# KiCad board FrontEnd_5G.kicad_pcb (continued)
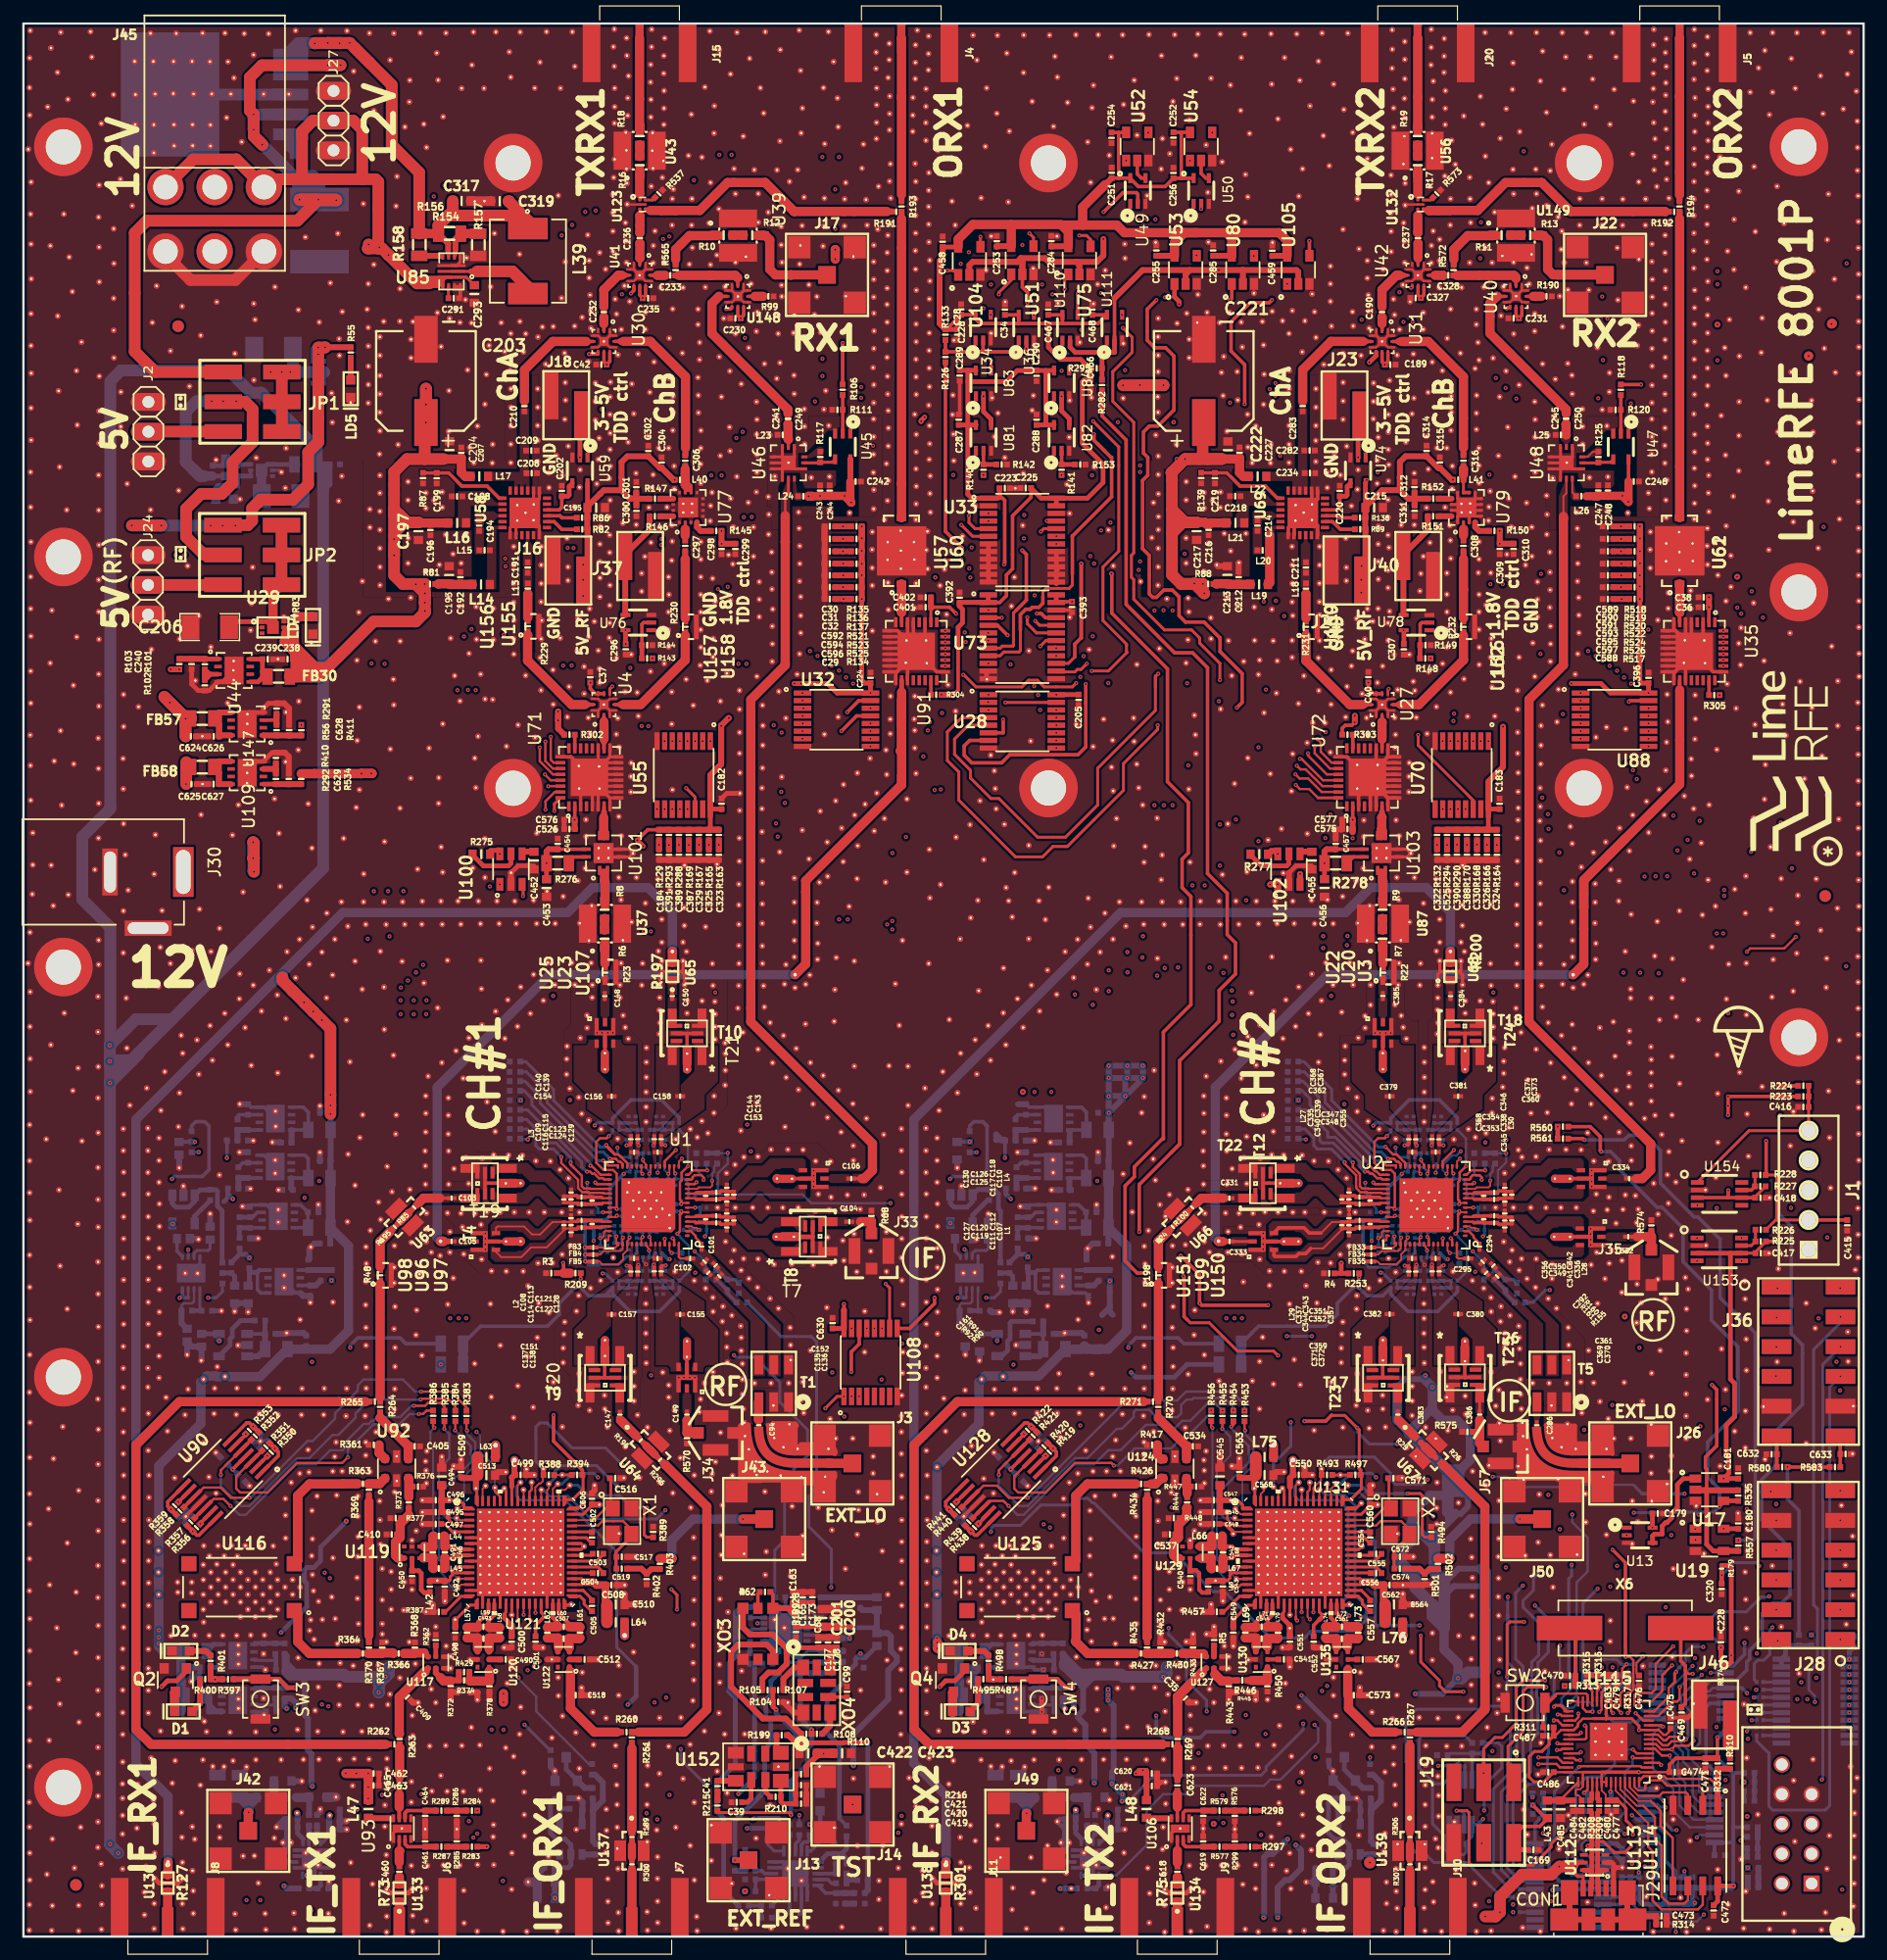
[diagram p0: board, top side]
## Placement (name value [footprint] x y rotation side) (continued)
GND_VIA#1628  VAL**  [GND_VIA#6]  46.67 158.79 90 top
GND_VIA#1629  VAL**  [GND_VIA#6]  45.45 159.61 90 top
GND_VIA#1630  VAL**  [GND_VIA#3]  50.45 162.79 90 top
GND_VIA#1631  VAL**  [GND_VIA#3]  51.5 162.03 90 top
GND_VIA#1632  VAL**  [GND_VIA#3]  50.39 161.28 90 top
GND_VIA#1633  VAL**  [GND_VIA#3]  117.95 160.19 90 top
GND_VIA#1634  VAL**  [GND_VIA#3]  117.95 158.55 90 top
GND_VIA#1635  VAL**  [GND_VIA#3]  116.89 161.06 90 top
GND_VIA#1636  VAL**  [GND_VIA#3]  121.32 160.48 90 top
GND_VIA#1637  VAL**  [GND_VIA#3]  121.33 161.98 90 top
GND_VIA#1638  VAL**  [GND_VIA#3]  121.3 159.09 90 top
GND_VIA#1639  VAL**  [GND_VIA#3]  120.2 161.23 90 top
GND_VIA#1640  VAL**  [GND_VIA#3]  120.2 159.73 90 top
GND_VIA#1641  VAL**  [GND_VIA#3]  116.88 162.72 90 top
GND_VIA#1642  VAL**  [GND_VIA#3]  117.95 161.72 90 top
GND_VIA#1643  VAL**  [GND_VIA#3]  120.21 162.77 90 top
GND_VIA#1644  VAL**  [GND_VIA#3]  139.19 159 90 top
GND_VIA#1645  VAL**  [GND_VIA#3]  139.23 160.14 90 top
GND_VIA#1646  VAL**  [GND_VIA#3]  140.25 158.2 90 top
GND_VIA#1647  VAL**  [GND_VIA#3]  140.28 159.59 90 top
GND_VIA#1648  VAL**  [GND_VIA#3]  140.21 160.78 90 top
GND_VIA#1649  VAL**  [GND_VIA#3]  140.28 161.95 90 top
GND_VIA#1650  VAL**  [GND_VIA#3]  137.48 156.64 90 top
GND_VIA#1651  VAL**  [GND_VIA#3]  139.21 162.75 90 top
GND_VIA#1652  VAL**  [GND_VIA#3]  139.21 161.45 90 top
GND_VIA#1653  VAL**  [GND_VIA#3]  142.67 159.88 90 top
GND_VIA#1654  VAL**  [GND_VIA#3]  142.68 161.38 90 top
GND_VIA#1655  VAL**  [GND_VIA#3]  142.65 158.5 90 top
GND_VIA#1656  VAL**  [GND_VIA#3]  143.77 159.25 90 top
GND_VIA#1657  VAL**  [GND_VIA#3]  143.8 162.13 90 top
GND_VIA#1658  VAL**  [GND_VIA#3]  143.79 160.63 90 top
GND_VIA#1659  VAL**  [GND_VIA#3]  142.68 162.75 90 top
GND_VIA#1660  VAL**  [GND_VIA#3]  60.93 162.5 90 top
GND_VIA#1661  VAL**  [GND_VIA#3]  59.42 161.01 90 top
GND_VIA#1662  VAL**  [GND_VIA#3]  68.74 162.56 90 top
GND_VIA#1663  VAL**  [GND_VIA#3]  64.63 161.02 90 top
GND_VIA#1664  VAL**  [GND_VIA#3]  62.01 160.28 90 top
GND_VIA#1665  VAL**  [GND_VIA#3]  69.18 160 90 top
GND_VIA#1666  VAL**  [GND_VIA#3]  63.35 162.55 90 top
GND_VIA#1667  VAL**  [GND_VIA#3]  66.25 162.69 90 top
GND_VIA#1668  VAL**  [GND_VIA#3]  58.61 162.62 90 top
GND_VIA#1669  VAL**  [GND_VIA#3]  57.03 155.51 90 top
GND_VIA#1670  VAL**  [GND_VIA#3]  73.84 158.64 90 top
GND_VIA#1671  VAL**  [GND_VIA#3]  73.93 161.56 90 top
GND_VIA#1672  VAL**  [GND_VIA#3]  76.33 162.69 90 top
GND_VIA#1673  VAL**  [GND_VIA#3]  73.92 160.17 90 top
GND_VIA#1674  VAL**  [GND_VIA#3]  72.8 159.42 90 top
GND_VIA#1675  VAL**  [GND_VIA#3]  72.83 162.31 90 top
GND_VIA#1676  VAL**  [GND_VIA#3]  72.82 160.81 90 top
GND_VIA#1677  VAL**  [GND_VIA#3]  76.17 159.94 90 top
GND_VIA#1678  VAL**  [GND_VIA#3]  76.17 161.44 90 top
GND_VIA#1679  VAL**  [GND_VIA#3]  76.15 158.55 90 top
GND_VIA#1680  VAL**  [GND_VIA#3]  77.27 159.3 90 top
GND_VIA#1681  VAL**  [GND_VIA#3]  77.3 162.19 90 top
GND_VIA#1682  VAL**  [GND_VIA#3]  77.29 160.69 90 top
GND_VIA#1683  VAL**  [GND_VIA#3]  45.67 148.59 90 top
GND_VIA#1684  VAL**  [GND_VIA#3]  42.36 143.57 90 top
GND_VIA#1685  VAL**  [GND_VIA#3]  46.26 142.92 90 top
GND_VIA#1686  VAL**  [GND_VIA#3]  45.95 139.83 90 top
GND_VIA#1687  VAL**  [GND_VIA#3]  48.19 145.22 90 top
GND_VIA#1688  VAL**  [GND_VIA#3]  35.66 135.69 90 top
GND_VIA#1689  VAL**  [GND_VIA#3]  37.93 133.7 90 top
GND_VIA#1690  VAL**  [GND_VIA#3]  28.48 108.92 90 top
GND_VIA#1691  VAL**  [GND_VIA#3]  30.06 110.54 90 top
GND_VIA#1692  VAL**  [GND_VIA#3]  42.24 103.4 90 top
GND_VIA#1693  VAL**  [GND_VIA#3]  41.25 101.58 90 top
GND_VIA#1694  VAL**  [GND_VIA#3]  35.81 103.49 90 top
GND_VIA#1695  VAL**  [GND_VIA#3]  127.71 109.18 90 top
GND_VIA#1696  VAL**  [GND_VIA#3]  11.17 90.68 90 top
GND_VIA#1697  VAL**  [GND_VIA#3]  155.65 26.65 90 top
GND_VIA#1698  VAL**  [GND_VIA#3]  155.58 31.7 90 top
GND_VIA#1699  VAL**  [GND_VIA#3]  152.23 42.09 90 top
GND_VIA#1700  VAL**  [GND_VIA#3]  155.78 51.61 90 top
GND_VIA#1701  VAL**  [GND_VIA#3]  155.81 49.08 90 top
GND_VIA#1702  VAL**  [GND_VIA#3]  63.75 11.23 180 top
GND_VIA#1703  VAL**  [GND_VIA#3]  60.09 12.26 180 top
GND_VIA#1704  VAL**  [GND_VIA#3]  65.27 19.97 180 top
GND_VIA#1705  VAL**  [GND_VIA#3]  65.27 5.81 180 top
GND_VIA#1706  VAL**  [GND_VIA#3]  66.44 4.77 180 top
GND_VIA#1707  VAL**  [GND_VIA#3]  64.98 26.35 180 top
GND_VIA#1708  VAL**  [GND_VIA#3]  64.15 27.05 180 top
GND_VIA#1709  VAL**  [GND_VIA#3]  6.65 154.73 90 top
GND_VIA#1710  VAL**  [GND_VIA#3]  7.69 157.19 90 top
GND_VIA#1711  VAL**  [GND_VIA#3]  5.98 157.19 90 top
GND_VIA#1712  VAL**  [GND_VIA#3]  81.28 122.07 90 top
GND_VIA#1713  VAL**  [GND_VIA#3]  133.56 2.94 180 top
GND_VIA#1714  VAL**  [GND_VIA#3]  128.43 8.71 90 top
GND_VIA#1715  VAL**  [GND_VIA#3]  31.33 101.34 270 bottom
GND_VIA#1716  VAL**  [GND_VIA#3]  11.27 94.03 270 bottom
GND_VIA#1717  VAL**  [GND_VIA#3]  33.07 98.86 270 bottom
GND_VIA#1718  VAL**  [GND_VIA#3]  146.06 142.26 270 bottom
GND_VIA#1719  VAL**  [GND_VIA#3]  117 156.05 270 bottom
GND_VIA#1720  VAL**  [GND_VIA#3]  114.05 144.03 270 bottom
GND_VIA#1721  VAL**  [GND_VIA#3]  154.13 148.71 270 bottom
GND_VIA#1722  VAL**  [GND_VIA#3]  137.8 135.78 270 bottom
GND_VIA#1723  VAL**  [GND_VIA#3]  22.03 124.98 270 bottom
GND_VIA#1724  VAL**  [GND_VIA#3]  26.92 122.52 270 bottom
GND_VIA#1725  VAL**  [GND_VIA#3]  22.37 123.63 270 bottom
GND_VIA#1726  VAL**  [GND_VIA#3]  16.45 126.03 270 bottom
GND_VIA#1727  VAL**  [GND_VIA#3]  19.88 126.2 270 bottom
GND_VIA#1728  VAL**  [GND_VIA#3]  18.5 122.67 270 bottom
GND_VIA#1729  VAL**  [GND_VIA#3]  13.34 110.73 270 bottom
GND_VIA#1730  VAL**  [GND_VIA#3]  19.4 111.48 270 bottom
GND_VIA#1731  VAL**  [GND_VIA#3]  14.98 112.7 270 bottom
GND_VIA#1732  VAL**  [GND_VIA#3]  22.24 112.61 270 bottom
GND_VIA#1733  VAL**  [GND_VIA#3]  24.59 110.37 270 bottom
GND_VIA#1734  VAL**  [GND_VIA#3]  21.73 109.02 90 bottom
GND_VIA#1735  VAL**  [GND_VIA#3]  17.92 108.06 90 bottom
GND_VIA#1736  VAL**  [GND_VIA#3]  17.96 107.23 90 bottom
GND_VIA#1737  VAL**  [GND_VIA#3]  17.95 108.85 90 bottom
GND_VIA#1738  VAL**  [GND_VIA#3]  14.68 107.18 270 bottom
GND_VIA#1739  VAL**  [GND_VIA#3]  22.39 100.25 270 bottom
GND_VIA#1740  VAL**  [GND_VIA#3]  22.42 104.48 270 bottom
GND_VIA#1741  VAL**  [GND_VIA#3]  149.09 155.48 270 bottom
GND_VIA#1742  VAL**  [GND_VIA#3]  145.57 157.41 270 bottom
GND_VIA#1743  VAL**  [GND_VIA#3]  143.27 93.33 270 bottom
GND_VIA#1744  VAL**  [GND_VIA#3]  149.74 149.37 270 bottom
GND_VIA#1745  VAL**  [GND_VIA#3]  147.89 145.5 270 bottom
GND_VIA#1746  VAL**  [GND_VIA#3]  116.87 159.44 270 bottom
GND_VIA#1747  VAL**  [GND_VIA#3]  11.85 99.3 270 bottom
GND_VIA#1748  VAL**  [GND_VIA#3]  10.93 109.85 270 bottom
GND_VIA#1749  VAL**  [GND_VIA#3]  8.86 123.98 270 bottom
GND_VIA#1750  VAL**  [GND_VIA#3]  151.13 120.73 270 bottom
GND_VIA#1751  VAL**  [GND_VIA#3]  151.46 126.08 270 bottom
IC1  NF_AD5513  [AD5513]  24.63 6.62 270 bottom
IC2  NF_AD5513  [AD5513]  91.08 6.62 270 bottom
J1  -  [pin_header_1x5_0022292051]  152.44 63.7 90 top
J2  PIN_HEADER_1X3  [pin_header_1x3]  10.67 128.43 90 top
J3  SMA_VERT_SMD  [SMA_vert_SMD]  70.78 40.38 0 top
J4  SMA_H_142-0701-851  [SMA_H]  74.96 160.76 90 top
J5  SMA_H_142-0701-851  [SMA_H]  141.42 160.75 90 top
J6  -  [SMA_H_142-0711-811]  32.09 2.5 270 top
J7  -  [SMA_H_142-0711-811]  51.95 2.5 270 top
J8  -  [SMA_H_142-0711-811]  12.32 2.5 270 top
J9  -  [SMA_H_142-0711-811]  98.53 2.5 270 top
J10  -  [SMA_H_142-0711-811]  118.39 2.5 270 top
J11  -  [SMA_H_142-0711-811]  78.76 2.5 270 top
J12  Jumper_SNM-100-BK-T  [SNM-100-BK-T]  13.42 130.97 0 top
J13  SMA_VERT_SMD  [SMA_vert_SMD]  61.92 6.52 0 top
J14  SMA_VERT_SMD  [SMA_vert_SMD]  70.8 11.27 0 top
J15  SMA_H_142-0701-851  [SMA_H]  52.61 160.76 90 top
J16  -  [TSM-102-04-T-SV]  46.53 116.58 0 top
J17  SMA_VERT_SMD  [SMA_vert_SMD]  68.62 141.81 0 top
J18  -  [TSM-102-04-T-SV]  46.35 130.69 0 top
J19  -  [TSM-103-04-F-DV]  124.69 10.59 270 top
J20  SMA_H_142-0701-851  [SMA_H]  119.05 160.75 90 top
J21  -  [TSM-102-04-T-SV]  112.98 116.59 0 top
J22  SMA_VERT_SMD  [SMA_vert_SMD]  135.05 141.81 0 top
J23  -  [TSM-102-04-T-SV]  112.8 130.67 0 top
J24  PIN_HEADER_1X3  [pin_header_1x3]  10.64 115.35 90 top
J25  Jumper_SNM-100-BK-T  [SNM-100-BK-T]  13.43 117.98 0 top
J26  SMA_VERT_SMD  [SMA_vert_SMD]  137.21 40.38 0 top
J27  PIN_HEADER_1X3  [pin_header_1x3]  26.48 154.98 90 top
J28  -  [PMOD_CONN]  152.41 31.71 180 top
J29  -  [TSS-105-01-G-D-09]  152.69 4.53 90 top
J30  -  [RAPC712X]  7.4 90.85 270 top
J33  -  [UMC_SMD]  72.41 58.51 180 top
J34  -  [UMC_SMD]  59.1 42.98 270 top
J35  -  [UMC_SMD]  139.01 57.11 180 top
J36  -  [PMOD_CONN]  152.43 49.07 0 top
J37  -  [TSM-102-04-T-SV]  52.66 116.97 0 top
J40  -  [TSM-102-04-T-SV]  119.11 116.97 0 top
J42  -  [SMA_vert_SMD]  19.2 9.02 0 top
J43  -  [SMA_vert_SMD]  63.25 35.63 0 top
J45  -  [0353180620]  16.33 146.55 180 top
J46  -  [TSM-102-04-T-SV]  144.45 18.94 180 top
J47  Jumper_SNM-100-BK-T  [SNM-100-BK-T]  147.82 19.37 270 top
J49  -  [SMA_vert_SMD]  85.64 9.02 0 top
J50  -  [SMA_vert_SMD]  129.68 35.63 0 top
J57  -  [UMC_SMD]  126.14 41.82 270 top
JP1  -  [PINHEADER_2X3]  19.64 130.94 0 top
JP2  -  [PINHEADER_2X3]  19.61 117.87 0 top
L1  L_NF  [SMD0201]  60.66 61.11 270 top
L2  1.6nH_0201_LQP03TN1N6B02D  [SMD0201]  46.15 60.71 90 top
L3  L_NF  [SMD0201]  46.15 62.91 90 top
L4  1.6nH_0201_LQP03TN1N6B02D  [SMD0201]  60.66 63.31 270 top
L5  8.2nH_0402_LQW15AN8N2G00D  [IND_0402]  54.62 68.42 270 bottom
L6  3.6nH_0402_LQW15AN3N6C10D  [IND_0402]  52.64 68.42 270 bottom
L7  8.2nH_0402_LQW15AN8N2G00D  [IND_0402]  53.68 56.39 90 bottom
L8  3.6nH_0402_LQW15AN3N6C10D  [IND_0402]  51.69 56.39 90 bottom
L9  8.2nH_0402_LQW15AN8N2G00D  [IND_0402]  53.67 68.42 270 bottom
L10  3.6nH_0402_LQW15AN3N6C10D  [IND_0402]  51.68 68.42 270 bottom
L11  8.2nH_0402_LQW15AN8N2G00D  [IND_0402]  54.64 56.39 90 bottom
L12  3.6nH_0402_LQW15AN3N6C10D  [IND_0402]  52.65 56.39 90 bottom
L13  1.2nH_0402_0402CS-1N2XJLU  [SMD0402]  43.07 115.04 270 top
L14  10nH_0603_0603HP-10NXGLW  [SMD0603]  39.08 115.39 0 top
L15  2.4nH_0402_0402CS-2N4XGLU  [SMD0402]  39.38 118.31 180 top
L16  10nH_0603_0603HP-10NXGLW  [SMD0603]  37.04 120.64 0 top
L17  3.3nH_0603_0603HP-3N3XJLW  [SMD0603]  38.93 124.61 0 top
L18  1.2nH_0402_0402CS-1N2XJLU  [SMD0402]  109.52 115.03 270 top
L19  10nH_0603_0603HP-10NXGLW  [SMD0603]  105.52 115.4 0 top
L20  2.4nH_0402_0402CS-2N4XGLU  [SMD0402]  105.82 118.31 180 top
L21  10nH_0603_0603HP-10NXGLW  [SMD0603]  103.49 120.65 0 top
L22  3.3nH_0603_0603HP-3N3XJLW  [SMD0603]  105.39 124.62 0 top
L23  47nH_0402_LQW04AN47NH20D  [SMD0402]  64.84 128.16 180 top
L24  56nH_0402_LQW15AW56NJ80D  [SMD0402]  66.59 122.92 180 top
L25  47nH_0402_LQW04AN47NH20D  [SMD0402]  131.29 128.16 180 top
L26  56nH_0402_LQW15AW56NJ80D  [SMD0402]  133.04 122.93 180 top
L27  L_NF  [SMD0201]  112.58 62.91 90 top
L28  L  [SMD0201]  127.09 61.11 270 top
L29  1.6nH_0201_LQP03TN1N6B02D  [SMD0201]  112.58 60.71 90 top
L30  1.6nH_0201_LQP03TN1N6B02D  [SMD0201]  127.09 63.31 270 top
L31  8.2NH_0402  [IND_0402]  120.12 56.39 90 bottom
L32  3.6nH_0402_LQW15AN3N6C10D  [IND_0402]  121.06 68.42 270 bottom
L33  3.6nH_0402_LQW15AN3N6C10D  [IND_0402]  119.08 68.42 270 bottom
L34  3.6nH_0402_LQW15AN3N6C10D  [IND_0402]  118.13 56.39 90 bottom
L35  8.2NH_0402  [IND_0402]  121.08 56.39 90 bottom
L36  3.6nH_0402_LQW15AN3N6C10D  [IND_0402]  120.11 68.42 270 bottom
L37  3.6nH_0402_LQW15AN3N6C10D  [IND_0402]  118.12 68.42 270 bottom
L38  3.6nH_0402_LQW15AN3N6C10D  [IND_0402]  119.09 56.39 90 bottom
L39  -  [SPM6530T-2R2M]  43.08 142.99 270 top
L40  12nH_0402_0402CS-12NXJLW  [SMD0402]  56.06 124.32 0 top
L41  12nH_0402_0402CS-12NXJLW  [SMD0402]  122.52 124.33 0 top
L42  470R_0402_BLM15BD471SN1D  [SMD0402]  34.7 29.87 270 top
L43  470R_0603_BLM18PG471SN1D  [SMD0603]  130.12 10.86 90 top
L44  5.6nH_0402_HK10055N6S-T  [SMD0402]  35.47 34.19 180 top
L45  5.6nH_0402_HK10055N6S-T  [SMD0402]  35.46 31.41 180 top
L46  18nH_0402_HK100518NJ-T  [SMD0402]  35.98 32.79 270 top
L47  68nH_0603_0603CS-68NXJLW  [SMD0603]  29.46 10.89 270 top
L48  68nH_0603_0603CS-68NXJLW  [SMD0603]  95.9 10.89 270 top
L57  1.2nH_0402_HK10051N2S-T  [SMD0402]  37.88 25.94 270 top
L58  1.2nH_0402_HK10051N2S-T  [SMD0402]  40.67 25.93 270 top
L59  3.3nH_0402_HK10053N3S-T  [SMD0402]  39.28 26.44 0 top
L60  8.2nH_0402_HK10058N2J-T  [SMD0402]  46.14 26.44 180 top
L61  2.2nH_0402_HK10052N2S-T  [SMD0402]  47.53 25.94 90 top
L62  2.2nH_0402_HK10052N2S-T  [SMD0402]  44.74 25.93 90 top
L63  120R_0603_BLM18AG121SN1D  [SMD0603]  39.53 40.91 180 top
L64  120R_0603_BLM18AG121SN1D  [SMD0603]  50.58 26.82 180 top
L65  470R_0402_BLM15BD471SN1D  [SMD0402]  101.16 29.87 270 top
L66  5.6nH_0402_HK10055N6S-T  [SMD0402]  101.92 34.19 180 top
L67  5.6nH_0402_HK10055N6S-T  [SMD0402]  101.92 31.39 180 top
L68  18nH_0402_HK100518NJ-T  [SMD0402]  102.43 32.79 270 top
L69  1.2nH_0402_HK10051N2S-T  [SMD0402]  104.33 25.94 270 top
L70  1.2nH_0402_HK10051N2S-T  [SMD0402]  107.13 25.93 270 top
L71  3.3nH_0402_HK10053N3S-T  [SMD0402]  105.73 26.44 0 top
L72  8.2nH_0402_HK10058N2J-T  [SMD0402]  112.59 26.44 180 top
L73  2.2nH_0402_HK10052N2S-T  [SMD0402]  113.98 25.94 90 top
L74  2.2nH_0402_HK10052N2S-T  [SMD0402]  111.19 25.94 90 top
L75  120R_0603_BLM18AG121SN1D  [SMD0603]  105.98 40.92 180 top
L76  120R_0603_BLM18AG121SN1D  [SMD0603]  117.03 26.82 180 top
LD1  LED  [LED_0603]  17.19 122.67 0 bottom
LD4  LED  [LED_0603]  24.72 111.89 270 top
LD5  LED  [LED_0603]  27.95 132.09 270 top
LD6  LED  [LED_0603]  68.03 11.49 90 bottom
Mounting Pad  VAL**  [Mounting Pad]  145.86 153.61 0 top
Mounting Pad#2  VAL**  [Mounting Pad]  100.12 153.61 0 top
Mounting Pad#3  VAL**  [Mounting Pad]  54.4 153.61 0 top
Mounting Pad#4  VAL**  [Mounting Pad]  54.4 100.25 0 top
Mounting Pad#5  VAL**  [Mounting Pad]  100.12 100.27 0 top
Mounting Pad#6  VAL**  [Mounting Pad]  145.84 100.26 0 top
Mounting Pad#7  VAL**  [Mounting Pad#2]  163.06 78.95 0 top
Mounting Pad#8  VAL**  [Mounting Pad#3]  163.42 117.71 0 top
Mounting Pad#9  VAL**  [Mounting Pad#4]  164 154.59 0 top
Mounting Pad#10  VAL**  [Mounting Pad#5]  14.82 13.83 0 top
Mounting Pad#11  VAL**  [Mounting Pad#6]  14.31 85.25 0 top
Mounting Pad#12  VAL**  [Mounting Pad#7]  14.18 153.28 0 top
Mounting Pad#13  VAL**  [Mounting Pad#8]  14.72 48.17 0 top
Mounting Pad#14  VAL**  [Mounting Pad#9]  14.35 121.32 0 top
P4  CONN_1  [Fiducial]  13.21 137.43 0 top
P4#2  CONN_1  [Fiducial]  4.48 4.41 0 top
P4#3  CONN_1  [Fiducial]  153.85 88.8 0 top
Q1  NF_MMBT3904  [MMBT3904]  46.35 14.3 180 bottom
Q2  2N7002  [SOT-23]  12.97 21.89 180 top
Q3  NF_MMBT3904  [MMBT3904]  112.79 14.31 180 bottom
Q4  2N7002  [SOT-23]  79.42 21.89 180 top
R1  0R_0201  [SMD0201]  57.08 63.33 0 bottom
R2  10K_0402  [SMD0402]  56.18 57.88 270 bottom
R3  10K_0402  [SMD0402]  45.08 56.62 0 top
R4  10K_0402  [SMD0402]  111.5 56.6 0 top
R5  49.9R_0402_ERJ-U02F49R9X  [SMD0402]  101.67 25.3 270 top
R6  0R_0603_NF  [SMD0603]  49.62 85.15 270 top
R7  0R_0603_NF  [SMD0603]  116.05 85.15 270 top
R8  0R_0603_NF  [SMD0603]  49.63 87.63 270 top
R9  0R_0603_NF  [SMD0603]  116.06 87.63 270 top
R10  0R_0603_NF  [SMD0603]  59.79 145.2 180 top
R11  0R_0603_NF  [SMD0603]  126.22 145.2 180 top
R12  0R_0603_NF  [SMD0603]  62.23 145.2 180 top
R13  0R_0603_NF  [SMD0603]  128.66 145.2 180 top
R14  20K_0402_CRCW040220K0FKEDC  [SMD0402]  20.2 52.57 0 bottom
R15  20K_0402_CRCW040220K0FKEDC  [SMD0402]  15.94 63.29 90 bottom
R16  0R_0603_NF  [SMD0603]  52.63 151.17 270 top
R17  0R_0603_NF  [SMD0603]  119.06 151.17 270 top
R18  0R_0603_NF  [SMD0603]  52.63 153.66 270 top
R19  0R_0603_NF  [SMD0603]  119.06 153.66 270 top
R20  20K_0402_CRCW040220K0FKEDC  [SMD0402]  86.63 52.5 0 bottom
R21  20K_0402_CRCW040220K0FKEDC  [SMD0402]  82.45 63.3 90 bottom
R22  0R_0402_NF  [SMD0402]  116.09 82.26 90 top
R23  0R_0402_NF  [SMD0402]  49.66 82.26 90 top
R24  0R_0201_NF  [SMD0201]  98.14 60.57 225 top
R25  0R_0201_NF  [SMD0201]  119.14 42.35 135 top
R26  0R_0201_NF  [SMD0201]  120.79 40.68 135 top
R27  110K_0402  [SMD0402]  21.51 20.77 270 bottom
R28  34K8_0402  [SMD0402]  21.16 19.22 180 bottom
R29  19K6_0402  [SMD0402]  25.38 56.43 270 bottom
R30  34K8_0402  [SMD0402]  24.48 55.12 270 bottom
R31  110K_0402  [SMD0402]  18.45 60.94 90 bottom
R32  34K8_0402  [SMD0402]  19.34 61.84 90 bottom
R33  23K2_0402  [SMD0402]  18.28 69.29 90 bottom
R34  34K8_0402  [SMD0402]  19.18 70.58 90 bottom
R35  44K2_0402  [SMD0402]  18.36 65.21 90 bottom
R36  34K8_0402  [SMD0402]  19.18 66.49 90 bottom
R37  0R_0402  [SMD0402]  16.99 56.18 270 bottom
R38  0R_0402_NF  [SMD0402]  16.99 57.07 90 bottom
R39  0R_0402  [SMD0402]  14.36 67.38 270 bottom
R40  0R_0402_NF  [SMD0402]  14.36 68.28 90 bottom
R41  10K_0402  [SMD0402]  15.66 53.41 0 bottom
R42  0R_0402  [SMD0402]  60.1 55.62 270 bottom
R43  44K2_0402  [SMD0402]  21.51 24.57 270 bottom
R44  34K8_0402  [SMD0402]  21.11 22.77 180 bottom
R45  4K99_0402  [SMD0402]  13.95 53.42 0 bottom
R46  0R_0402  [SMD0402]  22.31 20.77 270 bottom
R47  0R_0402  [SMD0402]  22.31 24.57 270 bottom
R48  0R_0402_NF  [SMD0402]  30.45 56.44 90 top
R49  0R_0402  [SMD0402]  147.69 5.87 180 bottom
R50  0R_0402  [SMD0402]  26.32 56.44 270 bottom
R51  680R_0402  [SMD0402]  17.81 123.83 180 bottom
R52  0R_0402  [SMD0402]  17.83 67.94 180 bottom
R53  0R_0402  [SMD0402]  17.91 63.85 180 bottom
R54  0R_0402  [SMD0402]  18.46 59.18 270 bottom
R55  680R_0402  [SMD0402]  27.95 135.18 270 top
R56  110K_0402  [SMD0402]  21.62 102.96 90 top
R57  20K_0402_CRCW040220K0FKEDC  [SMD0402]  147.7 4.21 0 bottom
R58  20K_0402_CRCW040220K0FKEDC  [SMD0402]  137.94 4.62 270 bottom
R59  0R_0402  [SMD0402]  147.64 8.52 180 bottom
R60  20K_0402_CRCW040220K0FKEDC  [SMD0402]  147.64 9.33 180 bottom
R61  20K_0402_CRCW040220K0FKEDC  [SMD0402]  140.21 4.62 270 bottom
R62  0R_0402  [SMD0402]  63.32 29.41 180 top
R63  69K8_0402  [SMD0402]  71.4 3.71 0 bottom
R64  0R_0402  [SMD0402]  147.36 13.18 180 bottom
R65  5K1_0402  [SMD0402]  71.39 2.81 0 bottom
R66  10R_0402  [SMD0402]  69.84 6.22 180 bottom
R67  470R_0402  [SMD0402]  68.04 9.11 90 bottom
R68  49.9R_0402_ERJ-U02F49R9X  [SMD0402]  72.41 61.5 270 top
R69  1K_0402  [SMD0402]  63.54 8.77 270 bottom
R70  10K_0402  [SMD0402]  69.84 4.55 180 bottom
R71  20K_0402_CRCW040220K0FKEDC  [SMD0402]  142.5 4.61 270 bottom
R72  110K_0402  [SMD0402]  87.95 20.77 270 bottom
R73  NF_0R_0603_RCS06030000Z0EA  [SMD0603]  32.1 3.72 270 top
R74  51R_0402  [SMD0402]  61.62 6.94 270 bottom
R75  NF_0R_0603_RCS06030000Z0EA  [SMD0603]  98.53 3.72 270 top
R76  47R_0402  [SMD0402]  64.56 9.12 90 bottom
R77  47R_0402  [SMD0402]  66.25 9.12 90 bottom
R78  47R_0402  [SMD0402]  67.13 9.12 90 bottom
R79  51R_0402  [SMD0402]  63.46 1.61 0 bottom
R80  0R_0402_NF  [SMD0402]  64.94 22.47 180 bottom
R81  27R_0402_ERJ2RKD27R0X  [SMD0402]  34.72 115.43 180 top
R82  1.2K_0402_AC0402JR-071K2L  [SMD0402]  47.72 120.1 0 top
R83  680R_0402  [SMD0402]  23.28 112.18 90 top
R84  20K_0402_CRCW040220K0FKEDC  [SMD0402]  147.36 13.97 180 bottom
R85  0R_0201_NF  [SMD0201]  33.37 62.23 225 top
R86  390R_0402_RC0402JR-07390RL  [SMD0402]  47.7 121.09 0 top
R87  0RNF_0402  [SMD0402]  34.12 124.47 90 top
R88  27R_0402_ERJ2RKD27R0X  [SMD0402]  101.17 115.44 180 top
R89  1.2K_0402_AC0402JR-071K2L  [SMD0402]  114.15 120.1 0 top
R90  0R_0201_NF  [SMD0201]  59.42 56.34 225 top
R91  0R_0201  [SMD0201]  59.11 57.28 315 top
R92  0R_0201  [SMD0201]  58.48 56.65 315 top
R93  0R_0805  [SMD0805]  36.59 50.6 180 bottom
R94  0R_0201_NF  [SMD0201]  55.73 55.97 0 bottom
R95  0R_0201_NF  [SMD0201]  55.72 68.85 0 bottom
R96  0R_0201_NF  [SMD0201]  50.59 68.85 180 bottom
R97  0R_0201_NF  [SMD0201]  50.59 55.96 180 bottom
R98  0R_0805  [SMD0805]  36.59 48.83 180 bottom
R99  49.9R_0402_ERJ-U02F49R9X  [SMD0402]  63.61 139.98 180 top
R100  0R_0201_NF  [SMD0201]  99.8 62.23 225 top
R101  110K_0402  [SMD0402]  15.49 108.58 270 top
R102  40K_0402_ERJ-U02F4022X  [SMD0402]  15.49 106.78 90 top
R103  0R_0402  [SMD0402]  13.31 108.59 270 top
R104  0R_0402_NF  [SMD0402]  64.44 20.02 180 top
R105  0R_0402_NF  [SMD0402]  63.54 21.03 180 top
R106  10K_0402  [SMD0402]  69.95 132.01 270 top
R107  0R_0402  [SMD0402]  64.44 21.03 0 top
R108  0R_0402_NF  [SMD0402]  66.85 17.3 0 top
R109  0R_0402  [SMD0402]  65.96 25.99 90 top
R110  0R_0402  [SMD0402]  67.75 17.3 180 top
R111  10K_0402  [SMD0402]  69.51 130.3 0 top
R112  33R2_0402  [SMD0402]  68.57 22.48 180 bottom
R113  49R9_0402  [SMD0402]  69.99 23.9 90 bottom
R114  4K99_0402_NF  [SMD0402]  68.56 24.41 0 bottom
R115  0R_0402  [SMD0402]  70.54 25.91 90 bottom
R116  0R_0402  [SMD0402]  71 28.05 0 bottom
R117  3.92K_0402_CRCW04023K92FKEDC  [SMD0402]  68.04 126.27 270 top
R118  10K_0402  [SMD0402]  136.4 132 270 top
R119  39R_0402  [SMD0402]  62.03 25.59 270 bottom
R120  10K_0402  [SMD0402]  135.95 130.3 0 top
R121  39R_0402  [SMD0402]  62.06 27.68 270 bottom
R122  39R_0402  [SMD0402]  68.53 27.22 180 bottom
R123  NF_49R9_0402  [SMD0402]  63.52 23.29 0 bottom
R124  49R9_0402  [SMD0402]  58.72 56.07 180 bottom
R125  3.92K_0402_CRCW04023K92FKEDC  [SMD0402]  134.49 126.27 270 top
R126  0R_0402  [SMD0402]  78.73 134.8 270 top
R127  NF_0R_0603_RCS06030000Z0EA  [SMD0603]  12.32 4.57 90 top
R128  0R_0402  [SMD0402]  65.96 26.89 90 top
R129  10K_0402  [SMD0402]  54.27 94.01 90 top
R130  0R_0201  [SMD0201]  123.52 63.33 0 bottom
R131  10K_0402  [SMD0402]  122.62 57.88 270 bottom
R132  10K_0402  [SMD0402]  120.71 94.01 90 top
R133  10K_0402  [SMD0402]  78.73 136.71 90 top
R134  10K_0402  [SMD0402]  71.14 114.15 0 top
R135  10K_0402  [SMD0402]  71.14 120.35 0 top
R136  10K_0402  [SMD0402]  71.14 119.28 0 top
R137  10K_0402  [SMD0402]  71.14 118.22 0 top
R138  390R_0402_RC0402JR-07390RL  [SMD0402]  114.13 121.09 0 top
R139  0RNF_0402  [SMD0402]  100.57 124.48 90 top
R140  10K_0402  [SMD0402]  81.98 125.18 90 top
R141  10K_0402  [SMD0402]  88.65 125.18 90 top
R142  10K_0402  [SMD0402]  83.53 125.63 180 top
R143  20K_0402_CRCW040220K0FKEDC  [SMD0402]  53.26 109.09 0 top
R144  10K_0402  [SMD0402]  53.26 110.21 180 top
R145  8.2_0402_CRCW04028R20FKED  [SMD0402]  59.16 119.96 180 top
R146  0R_0402_RC0402JR-070RL  [SMD0402]  53.92 121.21 180 top
R147  51_0402_CRCW040251R0FKEDC  [SMD0402]  53.93 122.71 180 top
R148  20K_0402_CRCW040220K0FKEDC  [SMD0402]  119.7 109.09 0 top
R149  10K_0402  [SMD0402]  119.71 110.22 180 top
R150  8.2_0402_CRCW04028R20FKED  [SMD0402]  125.61 119.97 180 top
R151  0R_0402_RC0402JR-070RL  [SMD0402]  120.37 121.22 180 top
R152  51_0402_CRCW040251R0FKEDC  [SMD0402]  120.39 122.72 180 top
R153  10K_0402  [SMD0402]  90.24 125.63 180 top
R154  976K_0805_ERJ-6ENF9763V  [SMD0805]  36.39 145.33 180 top
R155  0R_0201_NF  [SMD0201]  125.84 56.34 225 top
R156  NF_619K_0805_ERJ-6ENF6193V  [SMD0805]  36.39 145.33 180 top
R157  100k_0805  [SMD0805]  38.84 144.38 90 top
R158  100k_0805  [SMD0805]  33.8 144.39 90 top
R159  NF_0R_0805_RC0805FR-130RL  [SMD0805]  25.99 160.65 90 bottom
R160  0R_0201  [SMD0201]  125.52 57.26 315 top
R161  0R_0201  [SMD0201]  124.9 56.65 315 top
R162  100k_0805  [SMD0805]  23.44 151.2 270 bottom
R163  10K_0402  [SMD0402]  59.38 94.01 90 top
R164  10K_0402  [SMD0402]  125.82 94.01 90 top
R165  10K_0402  [SMD0402]  58.53 94.01 90 top
R166  10K_0402  [SMD0402]  124.97 94.01 90 top
R167  10K_0402  [SMD0402]  57.68 94.01 90 top
R168  10K_0402  [SMD0402]  124.12 94.01 90 top
R169  10K_0402  [SMD0402]  56.82 94.01 90 top
R170  10K_0402  [SMD0402]  123.26 94.01 90 top
R171  0R_0402  [SMD0402]  126.54 55.62 270 bottom
R172  49R9_0402  [SMD0402]  125.16 56.07 180 bottom
R173  0R_0201_NF  [SMD0201]  135.7 8.78 270 bottom
R174  0R_0402  [SMD0201]  144.95 23.51 270 top
R175  0R_0402  [SMD0201]  134.83 8.53 180 bottom
R176  0R_0402  [SMD0201]  134.83 9.36 180 bottom
R177  NF_0R_0402_RCS04020000Z0ED  [SMD0201]  136.71 3.38 180 bottom
R178  NF_0R_0402_RCS04020000Z0ED  [SMD0201]  136.41 2.46 90 bottom
R179  0R_0402  [SMD0201]  145 31.4 270 top
R180  0R_0402  [SMD0201]  127.49 6.11 180 bottom
R181  0R_0402  [SMD0201]  127.48 5.34 180 bottom
R182  0R_0402  [SMD0201]  127.48 4.68 180 bottom
R183  0R_0201_NF  [SMD0201]  122.17 55.97 0 bottom
R184  0R_0201_NF  [SMD0201]  122.16 68.85 0 bottom
R185  0R_0201_NF  [SMD0201]  117.03 68.85 180 bottom
R186  0R_0201_NF  [SMD0201]  117.03 55.96 180 bottom
R187  0R_0402  [SMD0201]  123.05 14.82 90 bottom
R188  0R_0402  [SMD0201]  127.48 4.04 180 bottom
R189  0R_0201_NF  [SMD0201]  51.96 8.5 90 top
R190  49.9R_0402_ERJ-U02F49R9X  [SMD0402]  130.06 139.98 180 top
R191  0RNF_0402  [SMD0402]  74.53 147.2 180 top
R192  0RNF_0402  [SMD0402]  140.96 147.2 180 top
R193  0R_0402  [SMD0402]  74.98 147.65 270 top
R194  0R_0402  [SMD0402]  141.41 147.65 270 top
R195  0R_0201_NF  [SMD0201]  31.71 60.57 225 top
R196  0R_0201_NF  [SMD0201]  52.71 42.35 135 top
R197  NF_0R_0603_RCS06030000Z0EA  [SMD0603]  55.41 82.37 270 top
R198  0R_0402_NF  [SMD0402]  96.91 56.44 90 top
R199  0R_0402_NF  [SMD0402]  64.75 17.19 0 top
R200  NF_0R_0603_RCS06030000Z0EA  [SMD0603]  121.84 82.37 270 top
R201  0R_0402  [SMD0402]  70.28 9.02 270 bottom
